# Altium PCB MOTHERBOARD_Hristo_JLC2313.PcbDoc (part 2 of 4)
Units mm, origin at the board's own origin, x right, y up, seen from the top; angles counter-clockwise.
Board outline 100 x 50 mm, 4 copper layers (Top Layer, GND, Power, Bottom Layer), stack 1.548 mm thick; 230 components, 233 nets, 1062 pads, 1045 vias.
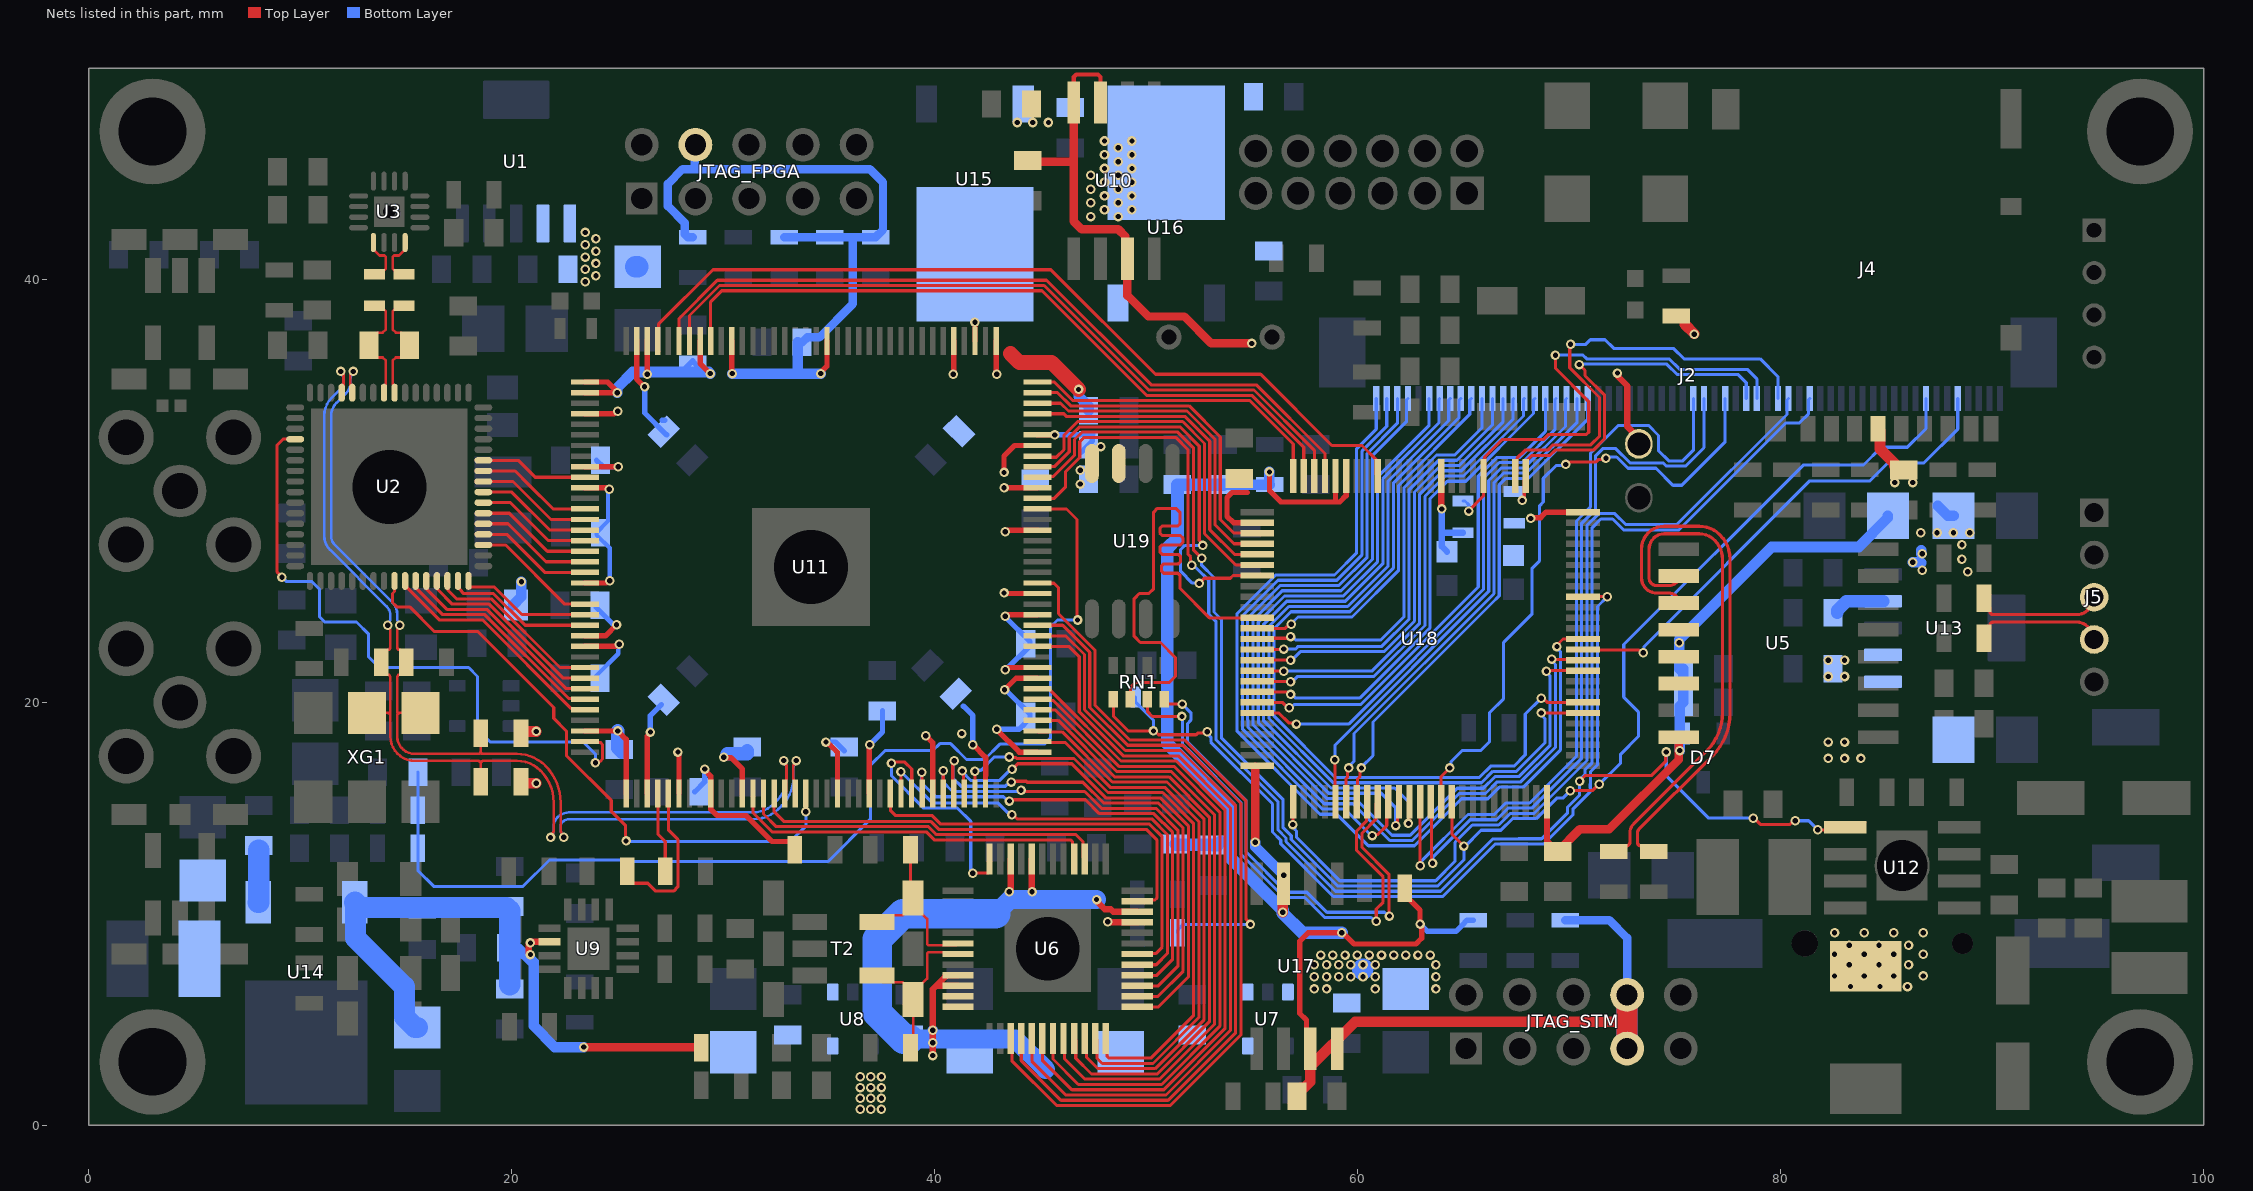
[diagram p4: the nets of this part, all layers, seen from the top]

## Via types
v1: diameter 0.45, hole 0.25, Top Layer to Bottom Layer, tented both sides, 1045 vias

## Nets (pads, with @x,y where several pads share a name; then routed paths per layer and width w, separated by ;. In a path a pad name is that pad's centre, name@x,y a point inside that pad or via, vN(x,y) a via of type N, cw(c..) or ccw(c..) an arc to the next point about the centre after c; other vN are vias at no path point) (continued)
+1V2: C63.1 C64.1 C65.1 C66.1 C67.1 C68.1 C69.1 C70.1 C96.1 C100.2 U11.1 U11.5 U11.29 U11.34 U11.37 U11.38 U11.45 U11.61 U11.70 U11.73 U11.78 U11.84 U11.102 U11.109 U11.116 U11.124 U11.134 U11.138 U16.4 | length 55.2
  Top Layer w0.254: U11.70@23.45,18.65 v1(25.006,18.65) 25.4,18.256 U11.73@25.4,15.7 ; U11.61@23.45,23.15 24.425,23.15 v1(24.948,23.673) ; U11.45@23.45,31.15 v1(25.025,31.15) ; U11.38@23.45,34.65 v1(24.98,34.65) 25.025,34.65 24.525,35.15 U11.37@23.45,35.15 ; U11.34@26.4,37.1 26.4,35.527 v1(26.402,35.525) ; v1(27.85,17.65) 27.85,17.597 27.9,17.547 U11.78@27.9,15.7 ; U11.29@28.9,37.1 28.9,36.025 v1(29.375,35.55) ; v1(30.025,17.4) 30.037,17.388 30.362,17.388 30.9,16.85 U11.84@30.9,15.7 ; v1(39.575,18.425) 39.9,18.1 U11.102@39.9,15.7 ; v1(40.875,35.525) 40.9,35.55 U11.5@40.9,37.1 ; U11.1@42.9,37.1 42.9,35.55 v1(42.925,35.525) ; v1(42.925,18.725) 44,17.65 U11.109@44.85,17.65 ; v1(43.275,25.175) 43.3,25.15 U11.124@44.85,25.15 ; v1(43.275,30.15) U11.134@44.85,30.15 ; v1(43.275,30.875) 43.275,31.65 43.775,32.15 U11.138@44.85,32.15 ; v1(43.3,20.6) 43.85,21.15 U11.116@44.85,21.15
  Top Layer w0.7: 43.575,36.5 44,36.075 45.525,36.075 v1(46.8,34.8)
  Bottom Layer w0.254: C68.1@23.975,24.6 23.975,24.5 24.801,23.673 v1(24.948,23.673) ; C69.1@24,31.45 24.3,31.15 v1(25.025,31.15) ; v1(26.402,35.525) v1@26.455,35.525 ; C63.1@28.027,35.627 28.55,36.15 C63.1@29.073,35.627 ; v1(30.025,17.4) 30.2,17.575 30.325,17.7 ; v1(42.925,18.725) 42.927,18.727 43.977,18.727 44.5,19.25 44.5,19.45 43.35,20.6 v1(43.3,20.6)
  Bottom Layer w0.5: v1(24.98,34.65) 24.98,34.88 25.725,35.625 29.3,35.625 v1(29.375,35.55) ; v1(46.8,34.8) 46.8,34.475 47.275,34 C64.1@47.275,33.8
  Bottom Layer w0.65: v1(25.006,18.65) 25.006,17.844 C70.1@25.075,17.775 C70.1@25.2,17.65 ; 30.2,17.575 31.125,17.575 C67.1@31.125,17.7
  other v1: 41.275,18.525 47.375,42.975 48.675,42.975 48.025,43.3 49.325,43.3 47.375,43.625 48.675,43.625 48.025,43.95 49.325,43.95 47.375,44.275 48.675,44.275 48.025,44.6 49.325,44.6 47.375,44.925 48.675,44.925 48.025,45.25 49.325,45.25 48.675,45.575 48.025,45.9 49.325,45.9 48.675,46.225 48.025,46.55 49.325,46.55
+2V5: C71.1 C72.1 C73.1 C94.2 C99.1 U11.3 U11.35 U11.75 U11.96 U11.107 U15.4 U16.3 | length 19.2
  Top Layer w0.254: U11.35@25.9,37.1 25.9,35.3 v1(26.275,34.925) ; U11.75@26.4,15.7 26.4,18.397 26.55,18.547 v1(26.55,18.6) ; U11.96@36.9,15.7 36.9,17.975 v1(36.925,18) ; v1(41.8,18) 42.401,17.399 42.401,16.542 U11.107@42.4,15.7 ; U11.3@41.9,37.1 v1(41.9,37.975)
  Bottom Layer w0.254: v1(26.275,34.925) 26.275,33.7 C73.1@27.32,32.655 ; v1(26.55,18.6) 26.55,19.375 C71.1@27.075,19.9 ; C73.1@27.1,33.35 C73.1@27.225,33.35 ; v1(36.925,18) 37.527,18.602 C99.1@37.525,19.6 C99.1@37.525,19.6 ; 41.35,19.825 41.8,19.375 v1(41.8,18)
+3V3: BOOT.2 C28.2 C29.2 C30.1 C31.1 C56.1 C57.1 C58.1 C59.1 C60.1 C61.1 C62.1 C82.2 C83.2 C84.2 C85.1 C86.1 C87.2 C88.2 C89.1 C91.2 C103.1 C104.1 C105.1 C112.1 D7.1 J4.4 JTAG_FPGA.4 JTAG_STM.7 JTAG_STM.8 R9.1 R11.1 R45.2 R46.2 R47.2 R48.2 R49.1 R54.2 R55.2 R56.2 R57.1 R60.1 R61.1 R64.1 R65.2 U5.12 U5.13 U5.14 U5.16 U10.3 U10.7 U10.8 U11.17 U11.26 U11.40 U11.47 U11.56 U11.62 U11.81 U11.93 U11.117 U11.122 U11.130 U11.139 U13.4 U17.3 U17.7 U17.8 U18.11 U18.20 U18.21 U18.27 U18.50 U18.75 U18.100 U19.7 U19.8 | length 245.9
  Top Layer w0.2: U10.8@46.57,48.375 46.57,49.581 46.687,49.698 47.723,49.698 47.84,49.581 U10.7@47.84,48.375 ; U18.50@55.173,16.95 55.223,17 U18.50@55.25,17 ; U18.75@68.95,14.975 U18.75@69,15.025
  Top Layer w0.254: U11.62@23.45,22.65 24.922,22.65 25.022,22.75 v1(25.075,22.75) ; U11.56@23.45,25.65 24.472,25.65 24.572,25.75 v1(24.625,25.75) ; U11.47@23.45,30.15 24.483,30.15 24.55,30.082 v1(24.603,30.082) ; U11.40@23.45,33.65 24.822,33.65 24.947,33.775 v1(25,33.775) ; v1(29.125,16.85) 29.125,16.797 29.4,16.522 U11.81@29.4,15.7 29.4,14.95 29.7,14.65 31.075,14.65 32.3,13.425 33.152,13.425 33.375,13.202 R49.1@33.375,13.025 R49.1@33.375,12.8 ; U11.26@30.4,37.1 30.4,35.575 v1(30.425,35.55) ; v1(34.6,35.55) 34.6,35.603 34.9,35.903 U11.17@34.9,37.1 ; v1(34.85,18.125) 34.903,18.125 35.21,17.818 35.22,17.818 35.4,17.638 U11.93@35.4,15.7 ; v1(43.325,21.55) 43.378,21.55 43.478,21.65 U11.117@44.85,21.65 ; v1(43.325,24.075) 43.378,24.075 43.453,24.15 U11.122@44.85,24.15 ; v1(43.325,28.075) 43.378,28.075 43.453,28.15 U11.130@44.85,28.15 ; U11.139@44.85,32.65 v1(45.675,32.65) ; 54.775,29.925 54.062,29.925 53.821,29.684 53.821,28.802 54.123,28.5 U18.27@55.25,28.5 ; v1(55.825,30.9) 55.825,30.016 56.366,29.475 58.95,29.475 ; U17.7@57.76,3.625 57.577,3.808 57.577,4.973 57.25,5.3 57.25,8.7 57.655,9.105 v1(59.247,9.105) ; U18.21@58.95,30.7 58.95,29.475 ; v1@59.247,9.15 59.822,8.575 62.75,8.575 63.029,8.854 63.029,9.346 62.984,9.391 62.984,9.481 v1(62.947,9.519) ; U18.20@59.45,30.7 59.45,29.775 59.15,29.475 58.95,29.475 ; R57.1@62.225,11.2 62.225,10.9 62.448,10.677 62.456,10.677 62.947,10.186 v1(62.947,9.519) ; v1@62.902,9.473 v1(62.947,9.519) ; v1(68.178,28.699) 68.215,28.737 68.647,28.737 68.911,29 U18.100@70.65,29 ; U5.14@75.188,20.895 U5.14@75.825,20.895 ; U5.13@75.188,22.165 U5.13@75.36,22.337 ; U5.12@75.188,23.435 U5.12@75.825,23.435
  Top Layer w0.293: U18.11@63.95,30.7 63.953,30.697 63.953,29.172 v1(63.975,29.15) ; U18.75@68.95,15.25 68.95,14.975 68.95,13.45 C84.2@69.45,12.95
  Top Layer w0.3: v1(72.285,35.575) 72.314,35.546 72.314,35.404 72.75,34.967 72.75,33.046 73.3,32.496 BOOT.2@73.3,32.225
  Top Layer w0.4: C87.2@44.4,45.625 44.45,45.575 46.57,45.575 ; U10.8@46.57,48.375 46.57,45.575 ; v1(54.987,36.975) 53.075,36.975 51.8,38.25 50.1,38.25 49.11,39.24 U10.3@49.11,40.975 49.01,41.075 49.01,42.04 48.675,42.375 46.94,42.375 46.57,42.745 46.57,45.575 ; v1(55.15,13.39) U18.50@55.15,16.95 ; C84.2@69.45,12.95 70.5,14 71.889,14 75.188,17.299 U5.16@75.188,18.355
  Top Layer w0.5: R11.1@20.425,16.25 20.5,16.175 v1(21.15,16.175) ; R9.1@20.425,18.55 20.5,18.625 v1(21.15,18.625) ; v1(56.45,10.075) 56.45,11.385 U17.3@56.49,11.425 ; C103.1@57.125,1.375 57.125,1.575 57.325,1.775 57.467,1.775 57.76,2.068 U17.7@57.76,3.625 ; U17.7@57.761,2.779 59.876,4.895 72.74,4.895 ; R54.2@75.075,38.275 75.375,38.275 75.475,38.175 75.475,37.875 v1@75.913,37.437 ; J4.4@84.6,32.95 84.7,32.85 84.7,31.985 85.385,31.3 85.385,31.2 85.585,31 C31.1@85.785,31
  Top Layer w1: JTAG_STM.8@72.74,6.17 72.74,4.895 JTAG_STM.7@72.74,3.63 JTAG_STM.7@72.855,3.745
  Bottom Layer w0.2: C58.1@23.975,21.15 23.975,21.25 25.027,22.302 25.027,22.702 v1(25.075,22.75) ; v1(24.603,30.082) 24.55,30.029 24.55,28.575 24,28.025 24,27.925 24.625,27.3 v1(24.625,25.75)
  Bottom Layer w0.254: v1(25.075,22.75) v1@25.075,22.757 ; C59.1@28.65,15.775 29.125,16.25 v1(29.125,16.85) ; v1(34.85,18.125) 35.3,18.125 C60.1@35.725,17.7 ; v1(43.325,21.55) 43.375,21.55 44.5,22.675 44.5,22.875 43.325,24.05 v1(43.325,24.075) ; v1(45.675,32.65) C61.1@47.275,32.65 ; C61.1@46.912,31.825 47.45,32.363 47.45,32.65 C61.1@47.475,32.675 ; v1(62.947,9.519) 63.295,9.171 64.648,9.171 64.929,9.452 64.929,9.454 65.175,9.7 R60.1@65.475,9.7
  Bottom Layer w0.293: v1(63.975,29.15) 63.975,28.025 ; C86.1@64.225,27.125 63.975,27.375 63.975,28.025 ; R55.2@64.975,28.025 63.975,28.025
  Bottom Layer w0.4: R45.2@28.55,42 28.326,42 28.176,42.15 28.176,42.674 27.375,43.475 27.375,44.525 28.075,45.225 28.65,45.225 ; JTAG_FPGA.4@28.68,46.5 28.65,46.47 28.65,45.225 ; R46.2@32.875,42 R48.2@35.037,42 36.119,42 ; C56.1@33.525,37.025 C56.1@33.725,37.025 33.966,37.266 34.541,37.266 36.119,38.844 36.119,42 ; R61.1@69.825,9.7 71.9,9.7 72.74,8.86 JTAG_STM.8@72.74,6.17 ; 28.65,45.225 36.925,45.225 37.55,44.6 37.55,42.35 R47.2@37.2,42 36.119,42
  Bottom Layer w0.5: v1(30.425,35.55) 33.55,35.55 ; C56.1@33.525,37.025 33.525,35.575 33.55,35.55 ; v1(34.6,35.55) 33.55,35.55 ; C83.2@53.65,30.3 R65.2@55.725,30.3 ; v1(55.15,13.39) 55.15,13.175 v1(56.5,11.825) ; v1(55.825,30.9) 55.825,30.4 R65.2@55.725,30.3 ; R65.2@55.837,30.3 R65.2@55.725,30.3 ; C29.2@75.2,21.6 v1(75.2,22.825) ; C29.2@75.2,21.6 C29.2@75.4,21.4 ; v1(75.2,22.825) 75.2,22.975 79.575,27.35 83.7,27.35 85.075,28.725 C30.1@85.075,28.825 ; v1(75.225,17.725) 75.225,19.825 C28.2@75.4,20 C29.2@75.4,21.4 ; C29.2@75.4,21.6 C29.2@75.4,21.4 ; v1(86.25,26.625) 86.625,26.625 86.65,26.6 ; v1@86.65,27.025 v1@86.65,27.202 ; C89.1@87.427,29.3 87.902,28.825 C89.1@88.175,28.825
  Bottom Layer w0.6: C88.2@51.4,13.3 51.425,13.275 53.15,13.275 C82.2@53.175,13.25 ; C82.2@53.375,13.25 C82.2@53.525,13.4 ; C83.2@53.65,30.3 C105.1@51.475,30.3 51.475,27.775 50.991,27.291 50.991,18.059 54.002,15.048 54.002,12.623 56.45,10.175 v1(56.45,10.075) 56.45,10.04 57.385,9.105 v1(59.247,9.105) ; C91.2@82.675,24.25 82.675,24.35 83.112,24.787 U13.4@84.841,24.787
  Bottom Layer w1: JTAG_STM.7@72.74,4.281 JTAG_STM.8@72.74,6.17
  other v1: 88.85,26.175 86.7,26.25 88.575,26.775 86.7,27.025 88.575,27.45 86.625,28.025 87.4,28.025 88.175,28.025 88.95,28.025 46.875,30.325 85.4,30.4 86.25,30.4 46.875,30.986 47.85,32.1 75.913,37.416
+5: C5.1 C7.2 C36.2 C37.1 C81.1 C90.2 C93.2 C98.1 L3.1 L5.2 U1.1 U1.2 U7.1 U7.3 U13.1 U13.2 U15.3 | length 1.4
  Bottom Layer w0.5: L3.1@20.05,24.6 20.45,25 v1(20.45,25.7)
  Bottom Layer w1: C7.2@25.85,40.6 C7.2@25.95,40.6 ; 60.225,7.375 v1@60.25,7.4
  other v1: 57.95,6.45 58.525,6.45 60.825,6.45 63.7,6.45 83.3,6.562 84.7,6.562 86,6.562 57.95,7.025 58.525,7.025 59.1,7.025 59.675,7.025 60.25,7.025 60.825,7.025 63.7,7.025 82.55,7.063 83.95,7.063 85.35,7.063 86.75,7.063 83.25,7.588 84.65,7.588 86.05,7.588 57.95,7.6 58.525,7.6 59.1,7.6 59.675,7.6 60.25,7.6 60.825,7.6 63.7,7.6 58.25,8.05 58.825,8.05 59.4,8.05 59.975,8.05 60.55,8.05 61.125,8.05 61.7,8.05 62.275,8.05 62.85,8.05 63.425,8.05 82.55,8.087 83.95,8.087 85.35,8.087 86.75,8.087 83.25,8.513 84.65,8.513 86.05,8.513 82.55,9.112 83.95,9.112 85.35,9.112 86.75,9.112 82.25,17.35 83.025,17.35 83.8,17.35 82.25,18.125 83.025,18.125 82.25,21.225 83.025,21.225 82.25,22 83.025,22 23.473,39.9 23.975,40.175 23.475,40.481 23.975,40.758 23.475,41.062 23.975,41.342 23.475,41.644 23.975,41.925 23.475,42.225 43.9,47.425 44.638,47.425 45.375,47.425
+12: C45.2 C46.2 C47.2 C97.1 C102.2 R32.2 U9.14 U14.3 | length 32.5
  Top Layer w0.3: v1(20.875,8.075) 20.8,8.15 20.8,8.55 20.925,8.675 U9.14@21.775,8.675
  Top Layer w0.4: v1(23.4,3.7) R32.2@28.85,3.7
  Bottom Layer w0.2: v1(20.875,8.075) 21.175,7.775
  Bottom Layer w0.5: 20.262,8.4 21.025,7.637 21.025,4.7 22.025,3.7 v1(23.4,3.7)
  Bottom Layer w1: U14.3@12.566,10.544 U14.3@12.609,10.501 ; U14.3@12.585,10.563 U14.3@12.609,10.538 ; U14.3@12.654,10.494 U14.3@12.609,10.538 ; C97.1@15.525,4.625 15.425,4.625 14.925,5.125 14.925,6.55 12.609,8.866 U14.3@12.609,10.501 ; C47.2@19.9,6.65 19.9,8.45 19.9,10.15 19.75,10.3 12.81,10.3 U14.3@12.609,10.501 ; U14.3@12.609,10.501 U14.3@12.609,10.538
  other v1: 20.875,8.625
+13.8: C95.1 C101.2 L4.2 U14.1 | length 2.5
  Bottom Layer w1: U14.1@7.996,10.544 8.025,10.544 C101.2@8.025,13.025
+VA: C38.1 C39.2 C41.1 C42.2 U6.22 U6.32 U6.34 U6.45 U6.46 U7.5 U8.1 U8.3 | length 35.7
  Top Layer w0.3: v1(39.9,3.3) v1(39.9,3.9) v1(39.9,4.5) 39.9,6.43 40.1,6.63 ; U6.46@41.1,6.6 40.1,6.6 40.1,6.63 ; U6.45@41.1,7.1 40.512,7.1 40.512,7.042 40.1,6.63 ; v1(43.525,11.05) 43.525,11.091 43.589,11.155 U6.34@43.589,12.582 ; U6.32@44.589,12.582 44.589,11.061 v1(44.6,11.05) ; v1(47.65,10.675) 47.65,10.634 47.724,10.561 47.724,10.526 48.031,10.218 48.324,10.218 48.442,10.1 U6.22@49.576,10.1
  Bottom Layer w0.5: v1(39.9,3.9) 39.9,4.075 v1(39.9,4.5)
  Bottom Layer w0.9: 37.2,8.725 37.275,8.8 ; C42.2@38.6,4.275 38.8,4.075 39.9,4.075 43.813,4.075 45.237,2.65 ; 42.871,10 43.546,10.675 v1(47.65,10.675)
  Bottom Layer w1.4: C42.2@38.8,4.075 38.53,4.075 37.275,5.33 37.275,8.8 38.475,10 42.871,10
+VD: C43.1 C44.2 U6.21 U6.47 U6.48 U8.5 | length 1.4
  Top Layer w0.3: v1(48.175,9.625) 48.2,9.6 U6.21@49.576,9.6
  other v1: 36.475,0.763 36.975,0.763 37.475,0.763 36.475,1.275 36.975,1.275 37.475,1.275 36.475,1.787 36.975,1.787 37.475,1.787 36.475,2.3 36.975,2.3 37.475,2.3
AD1_CS: J2.34 U18.65 | length 30.3
  Top Layer w0.147: U18.65@63.95,15.3 63.948,15.302 63.948,16.498 v1(64.35,16.9) ; v1(69.834,31.256) 69.916,31.256 70.033,31.373 71.277,31.373 71.396,31.492 71.679,31.492 v1(71.737,31.55)
  Bottom Layer w0.147: v1@64.35,16.91 64.406,16.965 64.406,17.181 64.956,17.731 65.828,17.731 66.227,18.129 66.227,19.503 66.9,20.176 66.9,22.842 68.25,24.192 68.25,26.351 68.603,26.704 68.603,29.303 68.777,29.477 68.777,30.597 69.378,31.198 69.776,31.198 v1(69.834,31.256) ; v1(71.737,31.55) 71.795,31.608 72.243,31.608 72.78,31.072 74.103,31.072 74.903,30.272 75.322,30.272 77.375,32.325 J2.34@77.375,34.375
AF_AMP_MUTE: J2.56 U18.87 | length 23.8
  Top Layer w0.147: U18.87@70.65,22.5 70.663,22.488 73.277,22.488 73.42,22.345 v1(73.502,22.345)
  Bottom Layer w0.147: v1(73.502,22.345) 73.542,22.386 73.542,22.64 81.378,30.475 84.225,30.475 85.073,31.323 86.773,31.323 88.375,32.925 J2.56@88.375,34.375
AIN_N: C13.2 R2.2 U2.9 | length 5.6
  Top Layer w0.122: C13.2@13.25,36.825 C13.2@13.25,36.975 ; R2.2@13.5,38.75 13.689,38.561 13.966,38.561 14.037,38.49 14.037,37.907 14.037,37.635 13.891,37.489 13.639,37.489 13.25,37.1 C13.2@13.25,36.9 13.25,36.7 13.639,36.311 13.891,36.311 14.037,36.165 14.037,35.802 14.037,35.057 13.95,34.97 U2.9@13.95,34.647
AIN_P: C13.1 R3.2 U2.8 | length 5.6
  Top Layer w0.122: U2.8@14.45,34.647 14.45,34.97 14.363,35.057 14.363,35.936 14.362,36.165 14.509,36.311 14.761,36.311 15.15,36.7 C13.1@15.15,36.9 15.15,37.1 14.761,37.489 14.509,37.489 14.362,37.635 14.362,37.772 14.363,38.49 14.434,38.561 14.711,38.561 R3.2@14.9,38.75 ; C13.1@15.15,36.825 C13.1@15.15,36.975
AOUT_N: R2.1 U3.5 | length 2.3
  Top Layer w0.122: U3.5@13.45,41.75 13.45,41.425 13.738,41.137 13.966,41.137 14.037,41.066 14.037,40.51 13.966,40.439 13.689,40.439 R2.1@13.5,40.25
AOUT_P: R3.1 U3.8 | length 2.3
  Top Layer w0.122: R3.1@14.9,40.25 14.711,40.439 14.434,40.439 14.363,40.51 14.363,41.066 14.434,41.137 14.662,41.137 14.95,41.425 U3.8@14.95,41.75
AUDIO_48K_CLOCK: U11.136 U18.32 | length 20.2
  Top Layer w0.147: U11.136@44.85,31.15 45.655,31.15 46.359,31.854 46.359,32.536 46.855,33.033 51.595,33.033 52.506,32.121 52.506,27.663 52.675,27.494 v1(52.675,27.425) ; v1(52.5,25.625) 52.748,25.873 53.973,25.873 54.1,26 U18.32@55.25,26
  Bottom Layer w0.147: v1(52.5,25.625) 52.482,25.643 52.182,25.643 51.628,26.197 51.628,27.228 51.825,27.425 v1(52.675,27.425)
AUDIO_I2S_CLOCK: J2.53 U11.135 U18.66 | length 77.2
  Top Layer w0.147: U11.135@44.85,30.65 44.89,30.69 45.615,30.69 46.607,31.682 46.607,32.433 46.958,32.785 51.492,32.785 52.225,32.051 52.225,27.218 v1(52.62,26.824) ; U18.66@64.45,15.3 64.45,13.779 v1(65.025,13.205) ; v1(70.045,15.825) 71.095,15.825 71.394,16.125 v1(71.425,16.125)
  Bottom Layer w0.147: v1(52.62,26.824) 52.621,26.822 52.621,26.489 53.202,25.909 53.202,24.272 53.552,23.922 53.552,18.326 56.475,15.403 56.475,14.073 56.855,13.694 56.855,13.516 59.052,11.319 63.786,11.319 65.025,12.557 v1(65.025,13.205) ; v1@65.055,13.174 65.834,13.953 66.769,13.953 67.317,14.502 68.438,14.502 69.412,15.475 69.695,15.475 v1(70.045,15.825) ; v1(71.425,16.125) 72.437,17.136 72.437,17.548 73.273,18.384 73.273,19.554 72.825,20.003 72.579,20.248 72.579,22.737 81.063,31.22 81.52,31.22 81.525,31.225 83.921,31.225 84.765,32.069 85.994,32.069 86.875,32.95 J2.53@86.875,34.375
CHARGE_PUMP: C17.2 R5.1 R6.1 U11.132 | length 53.5
  Top Layer w0.147: U11.132@44.85,29.15 46.225,29.15 46.725,28.65 46.725,23.925 v1(46.753,23.897)
  Bottom Layer w0.147: C17.2@15.55,16.7 R5.1@15.55,14.9 R6.1@15.55,13.1 15.55,12.05 16.3,11.3 20.525,11.3 21.775,12.55 25.149,12.55 25.221,12.478 34.956,12.478 36.95,14.472 36.95,17.024 37.651,17.725 39.916,17.725 40.239,18.048 40.248,18.048 40.25,18.05 40.749,18.05 41.495,17.303 42.353,17.303 43.075,18.025 45.175,18.025 45.475,18.325 45.475,23.575 45.8,23.9 46.75,23.9 v1(46.753,23.897)
CLK_122.88M_N: R10.1 R11.2 U2.13 U11.88 XG1.5 | length 49.2
  Top Layer w0.122: v1(11.9,35.65) cw(c11.9,35.513) 12.037,35.513 12.037,34.734 cw(c11.95,34.734) U2.13@11.95,34.647 ; XG1.5@13.145,19.502 14.13,19.502 ; R10.1@14.091,22.466 14.037,22.412 ccw(c14.549,21.9) R10.1@13.825,21.9 13.825,21.804 ccw(c14.318,21.804) 13.969,21.456 14.091,21.334 ccw(c14.146,21.389) 14.146,21.311 cw(c14.146,21.234) 14.201,21.288 cw(c14.083,21.17) 14.25,21.17 14.25,20.786 14.252,20.783 14.252,19.526 14.228,19.502 14.13,19.502 ; R10.1@14.091,22.466 cw(c14.146,22.411) 14.146,22.489 ccw(c14.146,22.566) 14.201,22.512 14.214,22.525 ccw(c14.127,22.611) 14.25,22.611 14.25,22.84 14.251,22.842 14.251,23.437 14.126,23.562 v1(14.126,23.651) ; R11.2@18.525,16.25 18.525,17.115 ; v1(21.827,13.615) cw(c22.037,13.615) 21.889,13.764 21.902,13.777 ccw(c21.722,13.956) 21.976,13.956 21.976,15.264 ccw(c19.839,15.264) 21.35,16.775 ccw(c20.234,15.659) 20.234,17.237 18.647,17.237 ccw(c18.647,17.115) 18.561,17.201 ccw(c18.647,17.115) 18.525,17.115 ; v1(32.85,17.25) 32.85,17.161 32.987,17.024 32.987,16.679 32.987,16.371 32.966,16.349 32.966,15.766 U11.88@32.9,15.7 ; 14.13,19.502 cw(c14.13,19.38) 14.216,19.466 cw(c14.13,19.38) 14.252,19.38 14.252,18.449 cw(c14.13,18.449) 14.252,18.437 ccw(c14.575,18.4) 14.25,18.4 ccw(c15.412,18.4) 15.412,17.237 18.403,17.237 cw(c18.403,17.115) 18.489,17.201 cw(c18.403,17.115) 18.525,17.115
  Bottom Layer w0.122: v1(11.9,35.65) ccw(c12.114,35.65) 11.963,35.499 11.969,35.493 cw(c11.803,35.327) 12.037,35.327 12.037,35.193 cw(c11.48,35.193) 11.874,34.799 11.474,34.399 ccw(c12.319,33.555) 11.125,33.555 11.125,27.871 ccw(c12.043,27.871) 11.393,27.221 14.076,24.539 cw(c13.651,24.114) 14.251,24.114 14.251,23.955 cw(c14.037,23.955) 14.189,23.803 ccw(c14.34,23.651) v1(14.126,23.651) ; v1(21.827,13.615) cw(c22.037,13.615) 21.889,13.764 21.902,13.777 ccw(c21.722,13.956) 21.976,13.956 21.976,14.119 cw(c22.622,14.119) 22.165,14.575 22.171,14.581 cw(c22.7,14.052) 22.7,14.8 31.409,14.8 ccw(c31.409,16.166) 32.375,15.2 32.536,15.361 ccw(c31.448,16.45) 32.987,16.45 32.987,16.919 ccw(c32.733,16.919) 32.913,17.099 cw(c33.064,17.25) v1(32.85,17.25)
CLK_122.88M_P: R8.1 R9.2 U2.12 U11.89 XG1.4 | length 49.2
  Top Layer w0.122: U2.12@12.45,34.647 cw(c12.45,34.734) 12.363,34.734 12.363,35.513 cw(c12.5,35.513) v1(12.5,35.65) ; 14.578,19.101 14.578,18.449 cw(c14.13,18.449) 14.575,18.4 ccw(c15.412,18.4) 15.412,17.563 18.403,17.563 ccw(c18.403,17.685) 18.489,17.599 ccw(c18.403,17.685) 18.525,17.685 ; 14.578,19.102 14.578,19.38 cw(c14.7,19.38) 14.614,19.466 cw(c14.7,19.38) 14.7,19.502 ; v1(14.703,23.65) 14.703,23.561 14.577,23.435 14.577,22.707 14.575,22.705 14.575,22.611 ccw(c14.698,22.611) 14.611,22.525 14.624,22.512 ccw(c14.679,22.566) 14.679,22.489 cw(c14.679,22.411) 14.734,22.466 14.788,22.412 cw(c14.276,21.9) R8.1@15,21.9 15,21.804 cw(c14.507,21.804) 14.856,21.456 14.734,21.334 cw(c14.679,21.389) 14.679,21.311 ccw(c14.679,21.234) 14.624,21.288 ccw(c14.742,21.17) 14.575,21.17 14.575,20.92 14.578,20.918 14.578,19.526 14.602,19.502 14.7,19.502 ; XG1.4@15.685,19.502 14.7,19.502 ; R9.2@18.525,18.55 18.525,17.685 ; v1(22.45,13.625) ccw(c22.24,13.625) 22.389,13.773 22.376,13.786 cw(c22.555,13.966) 22.301,13.966 22.301,15.269 ccw(c19.851,15.269) 21.584,17.002 21.577,17.008 ccw(c20.238,15.669) 20.238,17.563 18.647,17.563 cw(c18.647,17.685) 18.561,17.599 cw(c18.647,17.685) 18.525,17.685 ; 33.313,16.544 33.313,16.371 33.334,16.349 33.334,15.766 U11.89@33.4,15.7 ; 33.313,16.544 33.313,17.024 33.45,17.161 v1(33.45,17.25)
  Bottom Layer w0.122: 11.625,27.45 cw(c12.047,27.872) 11.45,27.872 11.45,33.554 cw(c12.321,33.554) 11.705,34.17 12.152,34.617 ccw(c11.643,35.126) 12.363,35.126 12.363,35.327 cw(c12.597,35.327) 12.431,35.493 12.437,35.499 ccw(c12.286,35.65) v1(12.5,35.65) ; 11.625,27.45 14.353,24.722 cw(c13.812,24.181) 14.577,24.181 14.577,23.953 ccw(c14.792,23.953) v1@14.64,23.802 ; v1@14.64,23.801 cw(c14.489,23.65) v1(14.703,23.65) ; v1(22.45,13.625) ccw(c22.24,13.625) 22.389,13.773 22.376,13.786 cw(c22.555,13.966) 22.301,13.966 22.301,14.112 cw(c22.638,14.112) 22.4,14.35 cw(c22.701,14.049) 22.701,14.475 31.412,14.475 ccw(c31.412,16.158) 32.603,14.968 32.767,15.132 ccw(c31.449,16.449) 33.313,16.449 33.313,16.919 cw(c33.567,16.919) 33.387,17.099 ccw(c33.236,17.25) v1(33.45,17.25)